# Altium PCB AMC_Single_Panel.PcbDoc (part 2 of 5)
Units mm, origin at the board's own origin, x right, y up, seen from the top; angles counter-clockwise.
Board outline 67.1 x 200.1 mm, 4 copper layers (TOP, GND, PWR, BTM), stack 1.618 mm thick; 416 components, 275 nets, 1519 pads, 733 vias.
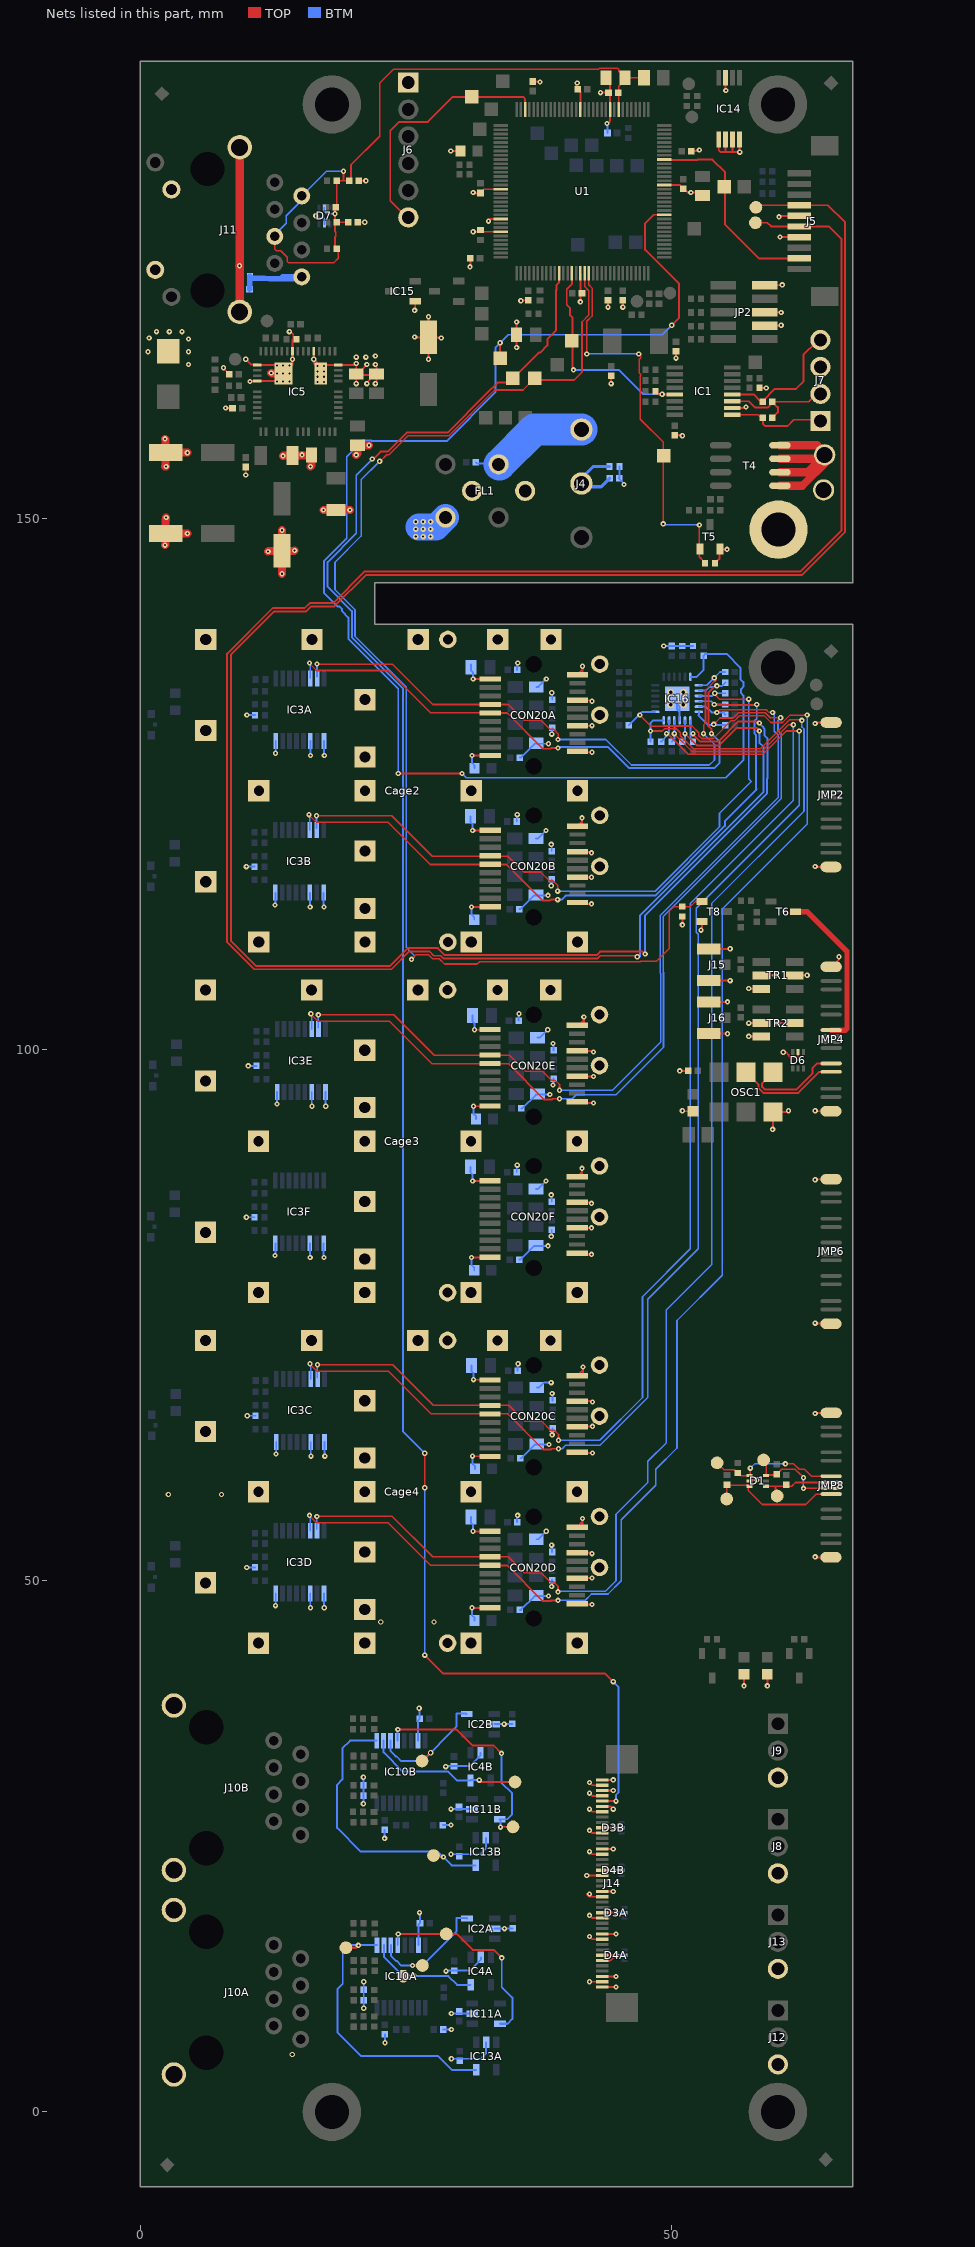
[diagram p4: the nets of this part, all layers, seen from the top]

## Footprints (in the part's own frame and the unit in brackets; to place one, negate y for a bottom-side part, rotate by r counter-clockwise, add the part's x,y. Pads: shape width x height; smd on the part's side, far side on the other; paste and mask are expansions set on the pad) (continued)
SOP65P640X110-16N [mm] "SOP, 0.65mm pitch; 16 pin, 4.40mm W X 5.00mm L X 1.10mm H body IPC Medium Density"
  rect 1.5x0.45 smd: 1(-2.95,2.275) 2(-2.95,1.625) 3(-2.95,0.975) 4(-2.95,0.325) 5(-2.95,-0.325) 6(-2.95,-0.975) 7(-2.95,-1.625) 8(-2.95,-2.275) 9(2.95,-2.275) 10(2.95,-1.625) 11(2.95,-0.975) 12(2.95,-0.325) 13(2.95,0.325) 14(2.95,0.975) 15(2.95,1.625) 16(2.95,2.275)
  silkscreen extent -3.57,-2.5 1.88,3.13, body extent -3.12,-2.55 3.12,2.55, height 1.1
SOP65P640X120-16N [mm] "SOP, 0.65mm pitch; 16 pin, 4.40mm W X 5.00mm L X 1.20mm H body IPC Medium Density"
  rect 1.45x0.45 smd: 1(-2.95,2.275) 2(-2.95,1.625) 3(-2.95,0.975) 4(-2.95,0.325) 5(-2.95,-0.325) 6(-2.95,-0.975) 7(-2.95,-1.625) 8(-2.95,-2.275) 9(2.95,-2.275) 10(2.95,-1.625) 11(2.95,-0.975) 12(2.95,-0.325) 13(2.95,0.325) 14(2.95,0.975) 15(2.95,1.625) 16(2.95,2.275)
  silkscreen extent -3.07,-2.55 1.85,3.18, body extent -3.12,-2.55 3.12,2.55, height 1.2
SOT95P237X112-3N [mm] "SOT, 0.95mm, pitch; 3 pin,1.30mm W X 2.92mm L X 1.12mm H body, IPC Medium Density"
  rect 1.05x0.6 smd: 1(-1.15,0.95) 2(-1.15,-0.95) 3(1.15,0)
  silkscreen extent -1.53,-1.45 0.3,1.87, body extent -1.25,-1.5 1.25,1.5, height 1.1
SOT95P240X110-3N [mm] "SOT23 3-Leads, Pitch 0.95mm, Body 1.3x2.9mm, IPC Medium Density"
  rect 1.05x0.65 smd: 1(-1.15,0.95) 2(-1.15,-0.95) 3(1.15,0)
  silkscreen extent -1.52,-1.45 0.3,1.92, body extent -1.25,-1.5 1.25,1.5, height 1.1
SOT95P240X130-3N [mm] "SOT23 3-Leads, Pitch 0.95mm - Body 1.3x2.9mm, IPC Medium Density"
  rect 1.05x0.65 smd: 1(-1.15,0.95) 2(-1.15,-0.95) 3(1.15,0)
  silkscreen extent -1.53,-1.45 0.3,1.92, body extent -1.25,-1.5 1.25,1.5, height 1.3
SOT95P280X145-5N [mm] "SOT, 0.95mm pitch; 5 pin, 1.60mm W X 2.90mm L X 1.45mm H body, IPC Medium Density"
  rect 1.1x0.6 smd: 1(-1.3,0.95) 2(-1.3,0) 3(-1.3,-0.95) 4(1.3,-0.95) 5(1.3,0.95)
  silkscreen extent -1.73,-1.45 0.43,1.87, body extent -1.4,-1.5 1.4,1.5, height 1.45
SOTFL50P160X60-6N [mm] "SOTFL (SOT666), 0.50mm, Pitch; 6 Pin, 1.20mm W X 1.60mm L X 0.60mm H Body, IPC Medium Density"
  rect 0.57x0.3 smd: 1(-0.79,0.5) 2(-0.79,0) 3(-0.79,-0.5) 4(0.79,-0.5) 5(0.79,0) 6(0.79,0.5)
  silkscreen extent -1.22,-0.8 0,1.27, body extent -0.85,-0.85 0.85,0.85, height 0.6
TP [mm]
  round 1.2 smd: 1(0,0)
TPS127 [mm] "1.27 x  1.27mm SMD Test Point Area"
  rect 1.27x1.27 smd paste-1.27: 1(0,0)
  silkscreen extent -0.94,-0.94 0.94,0.94
TSSOP-8 [mm] "TSSOP, 0.65mm pitch; 8 pin, 4.40mm W X 3.00mm L X 1.20mm H body, IPC Medium Density"
  rect 1.5x0.45 smd: 1(-2.9,0.975) 2(-2.9,0.325) 3(-2.9,-0.325) 4(-2.9,-0.975) 5(2.9,-0.975) 6(2.9,-0.325) 7(2.9,0.325) 8(2.9,0.975)
  silkscreen extent -3.52,-1.5 1.83,1.82, body extent -3.2,-1.55 3.2,1.55, height 1.2
TYCO_5-6605308-1 [mm] "1 Port, Yellow/Green LEDs, RJ45 10/100Base-T Ethernet, Mag45 Connector Module With Integrated Magnetics"
  round 1.6 hole 0.9: 1(-4.445,-1.27) 2(-3.175,1.27) 3(-1.905,-1.27) 4(-0.635,1.27) 5(0.635,-1.27) 6(1.905,1.27) 7(3.175,-1.27) 8(4.445,1.27)
  round 2.3 hole 1.6: 9(-7.747,-4.572) 10(7.747,-4.572)
  round 1.7 hole 1: D1(-6.325,-12.522) D2(-3.785,-10.998) D3(6.325,-10.998) D4(3.785,-12.522)
  round 0.5 hole 3.2 unplated mask+1.35: M1(-5.715,-7.62) M2(5.715,-7.62)
  silkscreen extent -8.95,-18.59 8.95,2.41, body extent -8.95,-18.6 8.95,2.41, height 14.97
TYCO_1888247-1 [mm] "20 Position, Pitch 0.8mm SFP Receptacle (Small Form-factor Pluggable)"
  rect 2x0.5 smd: 1(-4.1,3.395) 2(-4.1,2.595) 3(-4.1,1.795) 4(-4.1,0.995) 5(-4.1,0.195) 6(-4.1,-0.605) 7(-4.1,-1.405) 8(-4.1,-2.205) 9(-4.1,-3.005) 10(-4.1,-3.805) 11(4.1,-3.405) 14(4.1,-1.005) 15(4.1,-0.205) 16(4.1,0.595) 17(4.1,1.395) 20(4.1,3.795)
  rect 1.5x0.4 smd: 12(4.1,-2.605) 13(4.1,-1.805) 18(4.1,2.195) 19(4.1,2.995)
  round 0.5 hole 1.55 unplated mask+0.525: MTG1(0,4.795) MTG2(0,-4.805)
  TOP keep-out lines w0.1: -4.34,-5.755 3.94,-5.755 3.94,-4.805 3.94,-3.995 2.78,-3.995 2.78,-3.855 -2.78,-3.855 -2.78,-4.395 -4.34,-4.395 -4.34,-5.755 ; -4.34,3.985 -2.78,3.985 -2.78,3.845 2.78,3.845 2.78,4.385 3.94,4.385 3.94,5.745 -4.34,5.745 -4.34,3.985
  silkscreen extent -42.4,-7.77 6.3,7.77, body extent -4.5,-5.5 4.5,5.5, height 5.22
TYCO_2007263-1 [mm] "SFP+ 1x2 Press Fit Cage with EMI Springs"
  rect 2x2 hole 1.05: 1(-30.9,14.25) 2(-20.9,14.25) 3(-10.9,14.25) 4(4.1,-14.25) 5(-5.9,-14.25) 6(-15.9,-14.25) 7(-25.9,-14.25) 8(-30.9,-8.575) 9(-30.9,5.675) 10(-15.9,8.575) 11(-15.9,3.175) 12(-15.9,-5.675) 13(-15.9,-11.075)
  round 1.65 hole 0.95: 14(-8.1,14.25) 17(6.2,11.925) 18(6.2,7.125) 19(6.2,-2.325) 20(6.2,-7.125) 21(-8.1,-14.25)
  rect 2x2 hole 0.95: 15(-3.4,14.25) 16(1.6,14.25) 22(4.1,0) 23(-5.9,0) 24(-15.9,0) 25(-25.9,0)
  TOP region: 5.9,-1.18 6.5,-1.18 6.5,-3.48 5.9,-3.48
  TOP region: 5.9,13.07 6.5,13.07 6.5,10.77 5.9,10.77
  silkscreen extent -42.4,-15.27 6.58,15.27, body extent -42.4,-15.27 6.58,15.27, height 10.6
"WURTH_686 110 144 22" [mm] "10 Contacts, Pitch 1mm, SMT Connector, ZIF Horizontal Bottom Contact WR-FPC"
  rect 0.6x2.2 smd: 1(-4.5,0) 2(-3.5,0) 3(-2.5,0) 4(-1.5,0) 5(-0.5,0) 6(0.5,0) 7(1.5,0) 8(2.5,0) 9(3.5,0) 10(4.5,0)
  rect 1.8x2.6 smd: P1(-7.1,-2.4) P2(7.1,-2.4)
  silkscreen extent -8.5,-6.55 8.5,0.95, body extent -8.5,-6.55 8.5,0.55, height 3
XFMR_MINI-CIRCUITS_DB1627 [mm] "MINI-CIRCUITS RF Transformer, Case DB1627 - Body 4.06X3.81mm"
  rect 0.76x1.65 smd: 1(-1.27,1.59) 2(0,1.59) 3(1.27,1.59) 4(1.27,-1.59) 5(0,-1.59) 6(-1.27,-1.59)
  silkscreen extent -2.3,-0.37 1.91,1.72, body extent -1.9,-2.03 1.91,2.03, height 4.06
XTAL_5.0*3.2 [mm]
  rect 1.7x2.4 smd: 1(-2.2,0) 2(2.2,0)
  silkscreen extent -3,-1.7 3,1.7, body extent -3.05,-1.8 3.05,1.7, height 1.44

## Part data
B11 B12: library part PLATED_HOLE1.5_PAD2.0, "Single Terminal Socket"
B15 B16 B17 B18 B19 B20: library part PLATED_HOLE3.2_PAD5.5, "Single Terminal Socket"
C3 C42 C48A C48B C48C C48D C48E C48F: library part CC0603_1UF_25V_10%_X7R, "Non-polarised capacitor"
C4 C5 C6A C6B C7A C7B C8A C8B C9A C9B C18 C20 C23 C25 C26 C29 C30 C35 C44 C46A C46B C46C C46D C46E C46F C49A C49B C49C C49D C49E C49F C50A C50B C50C C50D C50E C50F C52A C52B C52C C52D C52E C52F C53 C54 C55 C57 C60 C63 C64 C67A C67B C69 C70A C70B C71A C71B C72A C72B C81 C82 C84 C85 C88A C88B C113 C175: library part CC0402_100NF_16V_10%_X5R, "Non-polarised capacitor"
C10 C27 C28 C43 C45A C45B C45C C45D C45E C45F C47A C47B C47C C47D C47E C47F C51A C51B C51C C51D C51E C51F C56 C80 C83: library part CC0805_10UF_10V_10%_X7R, "Non-polarised capacitor"
C11 C12 C13 C14: library part CAE660-540_100UF_16V_20%, "Polarised capacitor"
C17 C24 C73 C111 C112: library part CC0402_1NF_50V_10%_X7R, "Non-polarised capacitor"
C19 C21 C22: library part CC0402_12PF_50V_5%_C0G, "Non-polarised capacitor"
C58 C59: library part CC1206_10UF_16V_10%_X7R, "Non-polarised capacitor"
C114 C115: library part CC0603_1UF_16V_10%_X7R, "Non-polarised capacitor"
Cage2 Cage3 Cage4: library part TYCO_2007263-1, "SFP 1x2 Cage (25Pins)"
CON20A CON20B CON20C CON20D CON20E CON20F: library part TYCO_1888247-1, "20 Position SFP+ Connector (Small Form-factor Pluggable)"
D3A D3B D4A D4B: library part NUP4114UPXV6T1G
D5: "Diode Schottky  Anode Pin 1 Cathode Pin 3 (Pas de pin 2)"
D9: "Zener Diode"
FB2 FB4 FB5A FB5B FB5C FB5D FB5E FB5F FB6A FB6B FB6C FB6D FB6E FB6F: library part IND0805_MURATA_BLM21PG221SN1D, "Inductor"
FL1: library part FIL_MURATA_BNX016-01, "Block Type EMIFIL (LC Combined) SMD Type, BNX01* Serie"
FTG3 FTG4 FTG6 FTG8 FTG9 FTG10 FTG11 FTG12 FTG13: library part FIDUCIAL_TARGET_S100-200, "Fiducial Target"
IC1: "2-Channel Temperature Monitor with Dual, Automatic, PWM Fan-Speed Controller"
IC2A IC2B IC4A IC4B: "High-Speed Differential Line Receiver"
IC3A IC3B IC3C IC3D IC3E IC3F: "8-Bit I2C-Bus and SMBus Low Power I/O Port with Interrupt"
IC5: "0.8V to 85% PVIN (4.75-19V), 6A Synchronous Step-Down Regulator Module"
IC10A IC10B: "3-V To 5.5-V Multichannel RS-232 Line Driver/Receiver With ±15kV IEC ESD Protection"
IC11A IC11B IC13A IC13B: "High-Speed Differential Line Driver"
IC14: library part MEM_24MAC602, "Serial 2K EEPROM+ 48bit MAC"
IC15: "3-Pin Microprocessor Reset Circuit"
IC16: library part IIC_MUX_MAX7357ETG+, "8-channel I2C-bus multiplexer with reset, INT and timeout"
J4: library part PHOENIX_1755749, "Connector 3 Male"
J5: library part "WURTH_686 110 144 22", "Connector 10 Female"
J6: library part MOLEX_22-27-2061, "Connector 6 Male"
J7: library part MOLEX_22-27-2041, "Connector 4 Male"
J8 J9 J12 J13: library part MOLEX_22-05-7038, "Connector 3 Male"
J10A J10B: library part FCI_95678-001LF, "1 Port, 8 Positions Shielded Snap PEG, CAT5 RJ45 Horizontal Modular Jack"
J11: library part TYCO_5-6605308-1, "1 Port, Yellow/Green LEDs, RJ45 10/100Base-T Ethernet, Mag45 Connector Module With Integrated Magnetics"
J14: "0.50 mm SMT ZIF Horizontal Top Contact WR-FPC, 40 pins"
J15 J16: library part HIROSE_U.FL-R-SMT-1(10)
JMP2 JMP4 JMP6 JMP8: library part CBL_TWINAX_3M_4pairs_SB, "Flat Ribbon Cable Silver 8 (4 Pair) Conductors 0.093\" (2.37mm) Between Pairs Flat Twin Axial 500.0' (152.40m)"
JP2: library part "CON_2x5 1.27 SMT Male", "1.27 mm dual row goldpin (Maritex)"
LD1A LD1B LD1C LD1D LD1E LD1F: "LED Green 1C 2A"
OSC1: library part OSC_100MHZ_CRYSTEK_CCLD-033-50-100.000, "3.3V, ± 50ppm, 0°C to +70°C, Surface Mount LVDS Clock Oscillator (CCLD-033 Series)"
R14A R14B R15A R15B R16A R16B R17A R17B R18A R18B R19A R19B R20A R20B R21A R21B R39A R39B R40A R40B R41A R41B R42A R42B R43A R43B R44A R44B R194 R195 R196: library part R0402_0R_JUMPER, "Resistor"
R22A R22B R24A R24B R26A R26B R31A R31B: library part R0402_100R_1%_0.0625W_100PPM, "Resistor - 1%"
R23 R28 R29 R33 R36 R37 R51A R51B R51C R51D R51E R51F R52A R52B R52C R52D R52E R52F R53 R54 R63 R64 R65 R67 R68 R69 R70 R72 R89A R89B R89C R89D R89E R89F R90A R90B R90C R90D R90E R90F R91A R91B R91C R91D R91E R91F R105 R109 R111 R147 R148 R149 R150 R152 R153 R154 R197: library part R0402_10K_1%_0.0625W_100PPM, "Resistor - 1%"
R25: library part R0402_2K4_1%_0.0625W_100PPM, "Resistor - 1%"
R27 R46 R47 R50 R58 R59 R60 R184 R185 R186 R187 R188 R189 R190 R191 R198 R199 R200 R201 R202 R203 R204 R205: library part R0402_2K_1%_0.0625W_100PPM, "Resistor - 1%"
R30: library part R0402_1K6_1%_0.0625W_100PPM, "Resistor - 1%"
R32 R38 R55 R56 R61 R62 R66 R73 R74 R75 R77: library part R0402_49R9_1%_0.0625W_100PPM, "Resistor - 1%"
R35: library part R0402_7K5_1%_0.0625W_100PPM, "Resistor - 1%"
R71: library part R0402_4K87_1%_0.0625W_100PPM, "Resistor - 1%"
R93A R93B R93C R93D R93E R93F: library part R0603_330R_1%_0.1W_100PPM, "Resistor - 1%"
T2 T3 T6: "P-CHANNEL MOSFET WITH ZENER DIODE"
T4: library part Q_IRF9310, "PMOS 30V, 4.6mR, 20A, 2.5W"
T5 T8: "N-CHANNEL MOSFET WITH DIODE"
TP1A TP1B TP2A TP2B TP3 TP4 TP5A TP5B TP6A TP6B TP7 TP8 TP9 TP10 TP11 TP12 TP13 TP14 TP15 TP16 TP17 TP18: "Testpoint"
TP19 TP20 TP21 TP22 TP23 TP24 TP25 TP26 TP27 TP29 TP30 TP31 TP32 TP33 TP34 TP35 TP36 TP37 TP38 TP39 TP40 TP41 TP42 TP43 TP44 TP45 TP46 TP47 TP48 TP49 TP50: library part SMD_PAD_1.27X1.27MM
TR1 TR2: library part XFMR_MINI-CIRCUITS_TCM2-43X+, "50 OHMS 10 to 4000 MHz RF Transformer"
U1: library part CMP-0945-00009-2, "Tiva C Series Microcontroller, 1024 KB Flash, 256 KB SRAM, 12 Bit, 20 Channels, -40 to 105 degC, 128-Pin TQFP (PDT), Green (RoHS & no Sb/Br), Tape and Reel"
X1: library part X_CRYSTAL_SMD_5.0*3.2_25M, "miniature crystal oscillator"

## Via types
v1: diameter 0.5, hole 0.2, TOP to BTM, tented both sides, 677 vias
v2: diameter 0.5, hole 0.2, TOP to BTM, 44 vias
v3: diameter 0.5, hole 0.3, TOP to BTM, tented both sides, 5 vias
v4: diameter 0.66, hole 0.33, TOP to BTM, tented both sides, 4 vias
v5: diameter 0.51, hole 0.3, TOP to BTM, 3 vias

## Nets (pads, with @x,y where several pads share a name; then routed paths per layer and width w, separated by ;. In a path a pad name is that pad's centre, name@x,y a point inside that pad or via, vN(x,y) a via of type N, cw(c..) or ccw(c..) an arc to the next point about the centre after c; other vN are vias at no path point)
12VE: C63.2 FL1.1 J4.1 | length 10.5
  BTM w0.178: C63.2@31.55,155.3 31.65,155.2 FL1.1@32.9,155.2
  BTM w3: FL1.1@33.8,155.1 37.08,158.38 J4.1@41.5,158.38
AMC_MP: JMP4.9 T6.3 | length 15.2
  TOP w0.508: T6.3@61.65,113 62.75,113 66.5,109.25 66.5,102 66.34,101.84 JMP4.9@65.011,101.84
AMC_PWR: B11.1 T4.5 T4.6 T4.7 T4.8 | length 19.2
  TOP w0.762: T4.5@60.188,153.09 62.29,153.09 64.7,155.5 64.6,155.6 B11.1@64.6,155.8 ; T4.6@60.188,154.36 62.76,154.36 B11.1@64.3,155.9 ; T4.7@60.188,155.63 63.93,155.63 B11.1@64.1,155.8 ; T4.8@60.188,156.9 63.7,156.9 B11.1@64.45,156.15
AVDDT_PHY: C20.2 C35.1 C80.1 C81.2 D7.5 FB4.2 J11.2 J11.5 R55.2 R56.2 R61.1 R62.1 U1.8 | length 70.2
  TOP w0.152: J11.5@12.63,176.565 12.63,175.37 12.8,175.2 13.2,175.2 13.8,174.6 13.8,174.2 13.9,174.1 18.2,174.1 18.6,174.5 18.6,175.27 R62.1@18.47,175.4 ; R61.1@18.4,177.9 R61.1@18.47,177.9 C81.2@19.55,177.9 ; R56.2@18.47,181.8 18.47,179.57 18.3,179.4 v1(18.3,178.7) 18.3,177.02 18.362,176.958 18.362,176.584 18.3,176.521 18.3,175.6 R62.1@18.485,175.415 ; R56.2@18.535,181.865 18.6,181.8 19.125,181.8 ; v1(19.1,182.7) 19.1,181.825 19.125,181.8 ; U1.8@45,188.5 45,190.7 45.8,191.5 FB4.2@47.9,191.5 ; C80.1@45.6,191.5 45,192.1 45,192.3 44.904,192.396 43.194,192.396 43.098,192.3 23.8,192.3 22.5,191 22.5,186 19.8,183.3 19.8,181.9 19.7,181.8 C20.2@19.65,181.8 19.125,181.8
  BTM w0.152: J11.5@12.63,176.565 12.63,176.73 13.7,177.8 13.7,178.5 15.17,179.97 J11.2@15.17,180.375 17.495,182.7 19,182.7 19,182.6 v1(19.1,182.7) ; D7.5@17.3,179.29 17.3,178.9 17.5,178.7 v1(18.3,178.7)
BACKLIGHT: J5.2 TP24.1 U1.120 | length 18.9
  TOP w0.178: U1.120@49.3,183.8 49.35,183.75 52.384,183.75 52.434,183.8 53.824,183.8 55.025,182.599 55.025,177.675 58.2,174.5 J5.2@61.4,174.5
CLK0_N: JMP4.5 OSC1.4 | length 9.7
  TOP w0.178: OSC1.4@59.54,97.875 58.5,96.835 58.5,96.5 58.75,96.25 61.75,96.25 63.25,97.75 63.25,98.25 63.7,98.7 JMP4.5@65.011,98.7
CLK0_P: JMP4.4 OSC1.5 | length 9.8
  TOP w0.178: OSC1.5@57,97.875 58.18,96.695 58.18,96.367 58.617,95.93 61.93,95.93 63.91,97.91 JMP4.4@65.011,97.91
CON_TCK: D1.1 JMP8.9 R73.2 TP13.1 | length 12.5
  TOP w0.152: TP13.1@54.275,61.1 54.919,60.456 55.95,60.456 55.95,60.38 R73.2@56.2,60.13 ; R73.2@56.3,60.1 56.5,59.9 57.3,59.9 57.4,60 v1(57.4,60.6) ; v1(60.7,61) 61.5,61 62,60.5 62.5,60.5 63.16,59.84 JMP8.9@65.011,59.84
  BTM w0.152: v1(57.4,60.6) 57.8,61 v1(60.7,61)
CON_TDI: D1.4 JMP8.8 R75.2 TP15.1 | length 7.2
  TOP w0.152: D1.4@59,58.9 59.775,58.9 ; TP15.1@59.925,57.975 59.775,58.125 59.775,58.9 ; JMP8.8@65.011,59.28 64.98,59.249 61.649,59.249 61.3,58.9 59.775,58.9
CON_TDO: D1.6 JMP8.7 R77.2 TP16.1 | length 9.2
  TOP w0.152: TP16.1@58.65,61.375 58.89,61.135 D1.6@58.89,59.9 ; D1.6@59,59.9 59.051,59.951 59.687,59.951 59.719,59.919 59.8,60 R77.2@59.9,60 ; R77.2@59.9,60.03 60.37,60.5 61.615,60.5 61.887,60.228 61.91,60.228 62.4,59.738 v1(62.4,59.7) ; v1(62.4,58.7) 62.42,58.72 JMP8.7@65.011,58.72
  BTM w0.152: v1(62.4,58.7) v1(62.4,59.7)
CON_TMS: D1.3 JMP8.6 R74.2 TP14.1 | length 12.4
  TOP w0.152: TP14.1@55.175,57.7 55.175,59.005 R74.2@55.2,59.03 ; R74.2@55.4,59 57.2,59 57.2,58.5 58.521,57.179 62.629,57.179 63.61,58.16 JMP8.6@65.011,58.16
CON_TRST#: J14.36 TP40.1 U1.75 | length 178
  TOP w0.178: v1(21.8,155.6) 21.9,155.6 22.6,156.3 23.258,156.3 25.058,158.1 28.9,158.1 32.6,161.8 33.6,162.8 34.656,162.8 37.486,165.63 37.63,165.63 38.3,166.3 38.3,166.9 39.1,167.7 39.1,171.5 39.16,171.56 39.16,171.999 39.4,172.239 U1.75@39.4,173.1 ; v1(26.75,43) 28.489,41.261 43.739,41.261 v1(44.5,40.5) ; v1(26.75,58.75) v1(26.75,62) ; J14.36@43.45,29.25 v1(44.75,29.25)
  BTM w0.178: v1(21.8,155.6) 20.3,154.1 20.3,148.6 17.6,145.9 17.6,143.575 19.887,141.289 19.887,138.809 24.704,133.992 24.704,126.218 24.725,126.197 24.725,125.803 24.704,125.782 24.704,64.046 v1(26.75,62) ; v1(26.75,43) v1(26.75,58.75) ; v1(44.5,40.5) 44.975,40.025 44.975,30.053 44.75,29.828 v1(44.75,29.25)
CTS: J6.6 TP30.1 U1.30 | length 23.7
  TOP w0.178: J6.6@24.9,178.5 23.5,179.9 23.5,186.5 24.34,187.34 27.04,187.34 29.4,189.7 36,189.7 36.2,189.5 U1.30@36.2,188.5
DR1A: IC10A.9 IC13A.5 TP6A.1 | length 27
  TOP w0.2: TP6A.1@19.325,15.45 20.275,15.45 v1(20.5,15.675)
  BTM w0.178: IC10A.9@22.255,15.7 19.75,15.7 19.025,14.975 19.025,12.041 18.525,11.541 18.525,7.475 20.75,5.25 28,5.25 29.3,3.95 IC13A.5@31.58,3.95
DR1B: IC10B.9 IC13B.5 TP6B.1 | length 26.7
  TOP w0.152: TP6B.1@27.575,24.125 28.375,24.125 v1(28.5,24)
  BTM w0.178: IC10B.9@22.225,34.95 19.72,34.95 18.995,34.225 18.995,31.291 18.495,30.791 18.495,26.725 20.72,24.5 27.97,24.5 29.27,23.2 IC13B.5@31.55,23.2
DR2A: IC10A.12 IC11A.5 TP5A.1 | length 20
  TOP w0.178: v1(24.25,16.75) 29.75,16.75 31.25,15.25 33.25,15.25 v1(34,14.5)
  BTM w0.178: IC10A.12@24.205,15.7 24.205,16.705 v1(24.25,16.75) ; v1(34,14.5) 34,11.75 35,10.75 35,8.75 34.55,8.3 IC11A.5@33.83,8.3 33.88,8.25 34.5,8.25
DR2B: IC10B.12 IC11B.5 TP5B.1 | length 21.2
  TOP w0.152: v1(33.875,26.8) 33.9,26.825 TP5B.1@35.05,26.825
  TOP w0.178: v1(24.22,36) 29.72,36 31.22,34.5 33.22,34.5 v1(33.97,33.75)
  BTM w0.152: IC11B.5@33.8,27.55 33.875,27.475 v1(33.875,26.8)
  BTM w0.178: IC10B.12@24.175,34.95 24.175,35.955 v1(24.22,36) ; IC11B.5@33.8,27.55 34.52,27.55 34.97,28 34.97,30 33.97,31 v1(33.97,33.75)
DR3A: IC4A.5 IC10A.10 TP2A.1 | length 11.4
  TOP w0.178: TP2A.1@24.725,12.775 25.7,12.775 v1(25.725,12.8)
  BTM w0.178: IC10A.10@22.905,15.7 22.905,14.595 24.725,12.775 28.975,12.775 29.8,11.95 IC4A.5@31.08,11.95
DR3B: IC4B.5 IC10B.10 TP2B.1 | length 14.7
  TOP w0.2: v1(31.875,31.225) 32.05,31.05 TP2B.1@35.25,31.05
  BTM w0.178: IC10B.10@22.875,34.95 22.875,33.845 24.695,32.025 28.945,32.025 29.77,31.2 IC4B.5@31.05,31.2
  BTM w0.2: IC4B.5@31.05,31.2 31.075,31.225 v1(31.875,31.225)
DR4A: IC2A.5 IC10A.11 TP1A.1 | length 12.1
  TOP w0.178: v1(25.6,13.775) TP1A.1@26.525,13.775
  BTM w0.178: IC10A.11@23.555,15.7 23.555,14.695 24.04,14.21 24.118,14.21 24.553,13.775 v1(25.6,13.775) 26.525,13.775 29.75,17 29.75,18.25 30.68,18.25 IC2A.5@30.73,18.2
DR4B: IC2B.5 IC10B.11 TP1B.1 | length 12.3
  TOP w0.178: TP1B.1@26.495,33.025 27.27,33.8 v5(27.3,33.8)
  BTM w0.178: IC10B.11@23.525,34.95 23.525,33.945 24.01,33.46 24.088,33.46 24.523,33.025 26.495,33.025 29.72,36.25 29.72,37.5 30.65,37.5 IC2B.5@30.7,37.45
DXN: C111.1 C112.1 IC1.11 J7.2 J7.3 | length 13
  TOP w0.178: IC1.11@55.7,161.048 57.252,161.048 57.83,160.47 59.07,160.47 C112.1@59.4,160.8 ; C111.1@59.5,159.5 60,160 60,160.5 59.95,160.5 C112.1@59.45,161 62.9,161 J7.2@63.6,161.7
  BTM w0.2: J7.2@64,161.73 J7.3@64,164.27
DXP1: C111.2 IC1.9 J7.1 | length 9.1
  TOP w0.178: IC1.9@55.7,159.778 58.122,159.778 58.4,159.5 58.4,159.4 58.6,159.2 58.6,158.9 58.8,158.7 60.9,158.7 61.5,159.3 63.8,159.3 J7.1@63.8,159.2
DXP2: C112.2 IC1.12 J7.4 | length 11.8
  TOP w0.178: IC1.12@55.7,161.683 57.717,161.683 C112.2@58.4,161 ; C112.2@58.55,161 58.55,161.05 59.7,162.2 61.7,162.2 62.4,162.9 62.4,165.4 J7.4@63.6,166.6
EMI_SHIELD: C73.2 J4.2 R105.2 | length 6
  BTM w0.3: J4.2@41.4,153.7 42.6,154.9 R105.2@44.13,154.9 ; J4.2@41.8,153.1 41.8,153 43.35,153 C73.2@44.15,153.8
EN_AMC_MP: R54.2 T8.1 TP31.1 U1.81 | length 116.7
  TOP w0.152: v1(22.5,155.4) 22.53,155.37 23.163,156.004 23.38,156.004 25.18,157.804 29.023,157.804 33.319,162.1 36,162.1 TP31.1@37.1,163.2 37.251,163.049 40.823,163.049 41.549,163.775 41.549,168.504 42.2,169.156 42.2,171.447 41.8,171.847 U1.81@41.8,173.1 ; v1(25.5,108.5) 25.951,108.951 27.072,108.951 27.472,108.551 28.124,108.551 28.617,108.059 31.696,108.059 31.915,108.278 47.032,108.278 47.092,108.338 48.588,108.338 49.75,109.5 49.75,113 50.22,113.47 R54.2@51,113.47 51.75,113.47 52.23,113.95 T8.1@52.85,113.95
  BTM w0.152: v1(22.5,155.4) 20.755,153.655 20.755,148.355 18.3,145.9 18.3,143.294 20.183,141.412 20.183,138.932 25,134.115 25,126.341 25.021,126.319 25.021,125.681 25,125.659 25,109.615 25.75,108.865 25.75,108.75 v1(25.5,108.5)
EN_AMC_PWR: R111.2 T5.1 TP32.1 U1.82 | length 37.2
  TOP w0.152: v1(42,165.5) 42,168.57 42.5,169.07 42.5,171.7 42.2,172 U1.82@42.2,173.1 ; v1(46.9,165.5) 47.076,165.324 47.076,165.114 46.949,164.987 46.949,163.704 47.076,163.576 47.076,163.449 47.044,163.416 47.044,159.356 49.2,157.2 v1(49.2,149.5) ; v1(52.6,149.4) 52.6,146.4 53.13,145.87 R111.2@53.13,145.8
  BTM w0.152: v1(42,165.5) v1(46.9,165.5) ; v1(49.2,149.5) 49.3,149.4 v1(52.6,149.4)
FANN: IC1.5 R154.2 TP36.1 U1.78 | length 20.4
  TOP w0.178: U1.78@40.6,172.8 40.6,172.081 40.12,171.601 40.12,170.108 40.44,169.788 40.44,169.132 40.675,168.897 40.675,164.075 v1(40.75,164) ; R154.2@48.6,161.9 48.817,161.683 v1@49.1,161.683 ; v1(49.1,161.7) v1@49.1,161.683 ; IC1.5@50.3,161.683 v1@49.1,161.683
  BTM w0.178: v1(40.75,164) 45,164 47.3,161.7 v1(49.1,161.7)
GND: B12.1 B18.1 C3.1 C4.1 C6A.1 C6B.1 C7A.1 C7B.1 C8A.1 C8B.1 C9A.1 C9B.1 C10.1 C11.2 C12.2 C13.2 C14.2 C19.1 C20.1 C21.2 C22.2 C23.1 C24.2 C25.1 C26.1 C27.1 C28.1 C35.2 C42.1 C43.2 C44.1 C45A.2 C45B.2 C45C.2 C45D.2 C45E.2 C45F.2 C46A.2 C46B.2 C46C.2 C46D.2 C46E.2 C46F.2 C47A.2 C47B.2 C47C.2 C47D.2 C47E.2 C47F.2 C48A.1 C48B.1 C48C.1 C48D.1 C48E.1 C48F.1 C49A.2 C49B.2 C49C.2 C49D.2 C49E.2 C49F.2 C50A.2 C50B.2 C50C.2 C50D.2 C50E.2 C50F.2 C51A.2 C51B.2 C51C.2 C51D.2 C51E.2 C51F.2 C52A.2 C52B.2 C52C.2 C52D.2 C52E.2 C52F.2 C53.1 C54.1 C55.1 C56.1 C57.1 C58.1 C59.1 C60.1 C64.1 C67A.1 C67B.1 C69.1 C72A.2 C72B.2 C73.1 C80.2 C81.1 C83.2 C84.1 C85.1 C88A.2 C88B.2 C113.1 C114.1 C115.1 C175.1 Cage2.1 Cage2.2 Cage2.3 Cage2.4 Cage2.5 Cage2.6 Cage2.7 Cage2.8 Cage2.9 Cage2.10 Cage2.11 Cage2.12 Cage2.13 Cage2.14 Cage2.15 Cage2.16 Cage2.17 Cage2.18 Cage2.19 Cage2.20 Cage2.21 Cage2.22 Cage2.23 Cage2.24 Cage2.25 Cage3.1 Cage3.2 Cage3.3 Cage3.4 Cage3.5 Cage3.6 Cage3.7 Cage3.8 Cage3.9 Cage3.10 Cage3.11 Cage3.12 Cage3.13 Cage3.14 Cage3.15 Cage3.16 Cage3.17 Cage3.18 Cage3.19 Cage3.20 Cage3.21 Cage3.22 Cage3.23 Cage3.24 Cage3.25 Cage4.1 Cage4.2 Cage4.3 Cage4.4 Cage4.5 Cage4.6 Cage4.7 Cage4.8 Cage4.9 Cage4.10 Cage4.11 Cage4.12 Cage4.13 Cage4.14 Cage4.15 Cage4.16 Cage4.17 Cage4.18 Cage4.19 Cage4.20 Cage4.21 Cage4.22 Cage4.23 Cage4.24 Cage4.25 CON20A.1 CON20A.10 CON20A.11 CON20A.14 CON20A.17 CON20A.20 CON20B.1 CON20B.10 CON20B.11 CON20B.14 CON20B.17 CON20B.20 CON20C.1 CON20C.10 CON20C.11 CON20C.14 CON20C.17 CON20C.20 CON20D.1 CON20D.10 CON20D.11 CON20D.14 CON20D.17 CON20D.20 CON20E.1 CON20E.10 CON20E.11 CON20E.14 CON20E.17 CON20E.20 CON20F.1 CON20F.10 CON20F.11 CON20F.14 CON20F.17 CON20F.20 D1.2 D3A.2 D3B.2 D4A.2 D4B.2 D6.2 D7.2 D9.2 FL1.4 IC1.10 IC2A.2 IC2B.2 IC3A.1 IC3A.3 IC3A.8 IC3B.1 IC3B.3 IC3B.8 IC3C.1 IC3C.3 IC3C.8 IC3D.1 IC3D.3 IC3D.8 IC3E.1 IC3E.3 IC3E.8 IC3F.1 IC3F.3 IC3F.8 IC4A.2 IC4B.2 IC5.26 IC5.31 IC5.35 IC5.42 IC5.45 IC5.53 IC5.54 IC10A.15 IC10B.15 IC11A.2 IC11B.2 IC13A.2 IC13B.2 IC14.1 IC14.2 IC14.3 IC14.4 IC14.7 IC15.1 IC16.9 IC16.25 J5.4 J5.6 J6.1 J8.3 J9.3 J10A.SHIELD J10B.SHIELD J11.8 J11.D2 J11.D4 J12.3 J13.3 J14.1 J14.2 J14.3 J14.6 J14.7 J14.10 J14.11 J14.14 J14.15 J14.18 J14.19 J14.22 J14.23 J14.26 J14.27 J14.30 J14.31 J14.34 J14.35 J14.37 J14.38 J14.39 J14.40 J15.2 J16.2 JMP2.1 JMP2.14 JMP4.1 JMP4.14 JMP6.1 JMP6.14 JMP8.1 JMP8.14 JP2.3 JP2.5 JP2.9 OSC1.3 R18A.2 R18B.2 R19A.2 R19B.2 R25.1 R33.2 R38.2 R52A.1 R52B.1 R52C.1 R52D.1 R52E.1 R52F.1 R54.1 R71.1 R105.1 R111.1 R194.1 R195.1 T5.2 T8.2 TR1.1 TR1.2 TR1.5 TR2.1 TR2.2 TR2.5 U1.10 U1.17 U1.48 U1.55 U1.58 U1.80 U1.114 | length 390.3